# Allegro board LAY-95869_A.brd (continued)
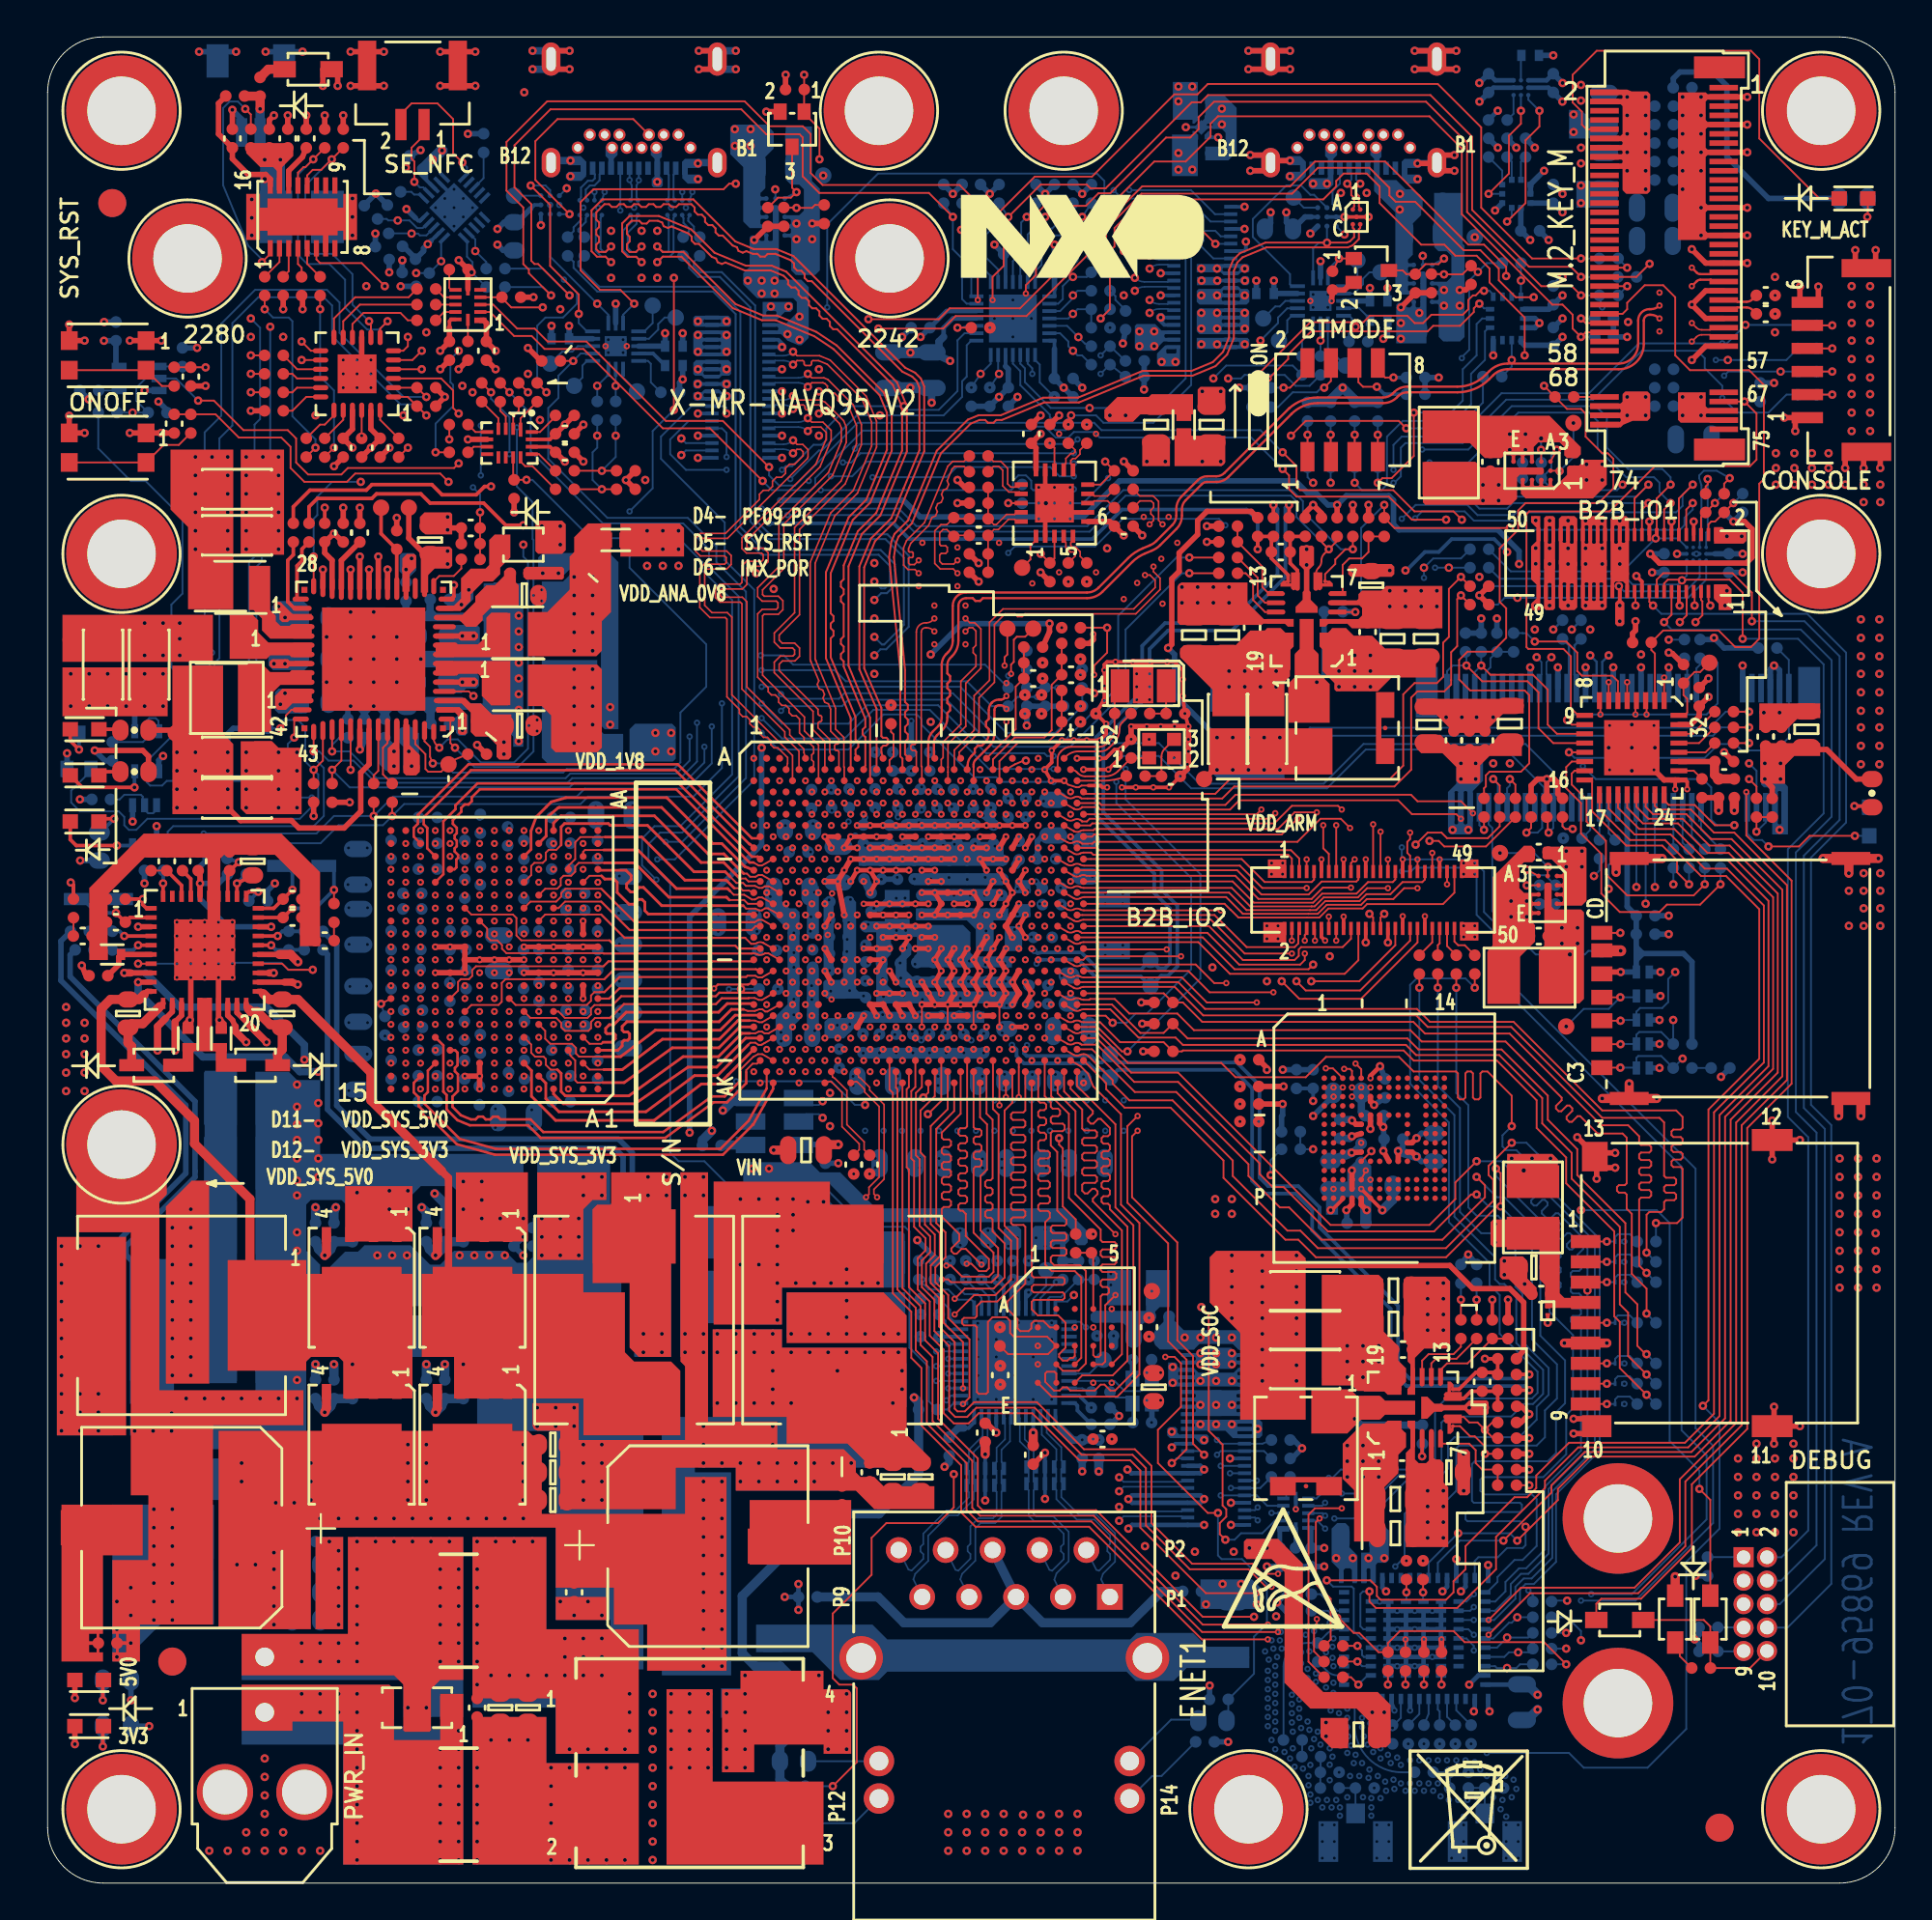
[diagram p0: board, top side]
## Nets (continued)
VDD_BBSM_1V8: C28.1 C201.1 R249.1 R250.1 R251.1 TP4.1(TP) U9.16 U12.H40 U12.J39
VDD_SD2_3V3: C81.1 C82.1 C85.1 C186.1 D9.1 J6.4 TP15.1(TP) U9.53
VDD_SDIO2: C48.1 C331.1 R108.1 R288.1 R290.1 R293.1 TP12.1(TP) U9.3 U12.AD36 U12.AD38
VDD_SOC: C84.1 C88.1 C90.1 C208.1 C209.1 C210.1 C211.1 C212.1 C213.1 C222.1 C227.1 C236.1 C237.1 C238.1 C240.1 C247.1 C248.1 C260.1 C268.1 C281.1 C286.1 C289.1 C290.1 C291.1 C292.1 C293.1 C294.1 C295.1 C302.1 C311.1 C312.1 C313.1 C315.1 C316.1 C317.1 C322.1 C356.1 C357.1 C369.1 C370.1 C371.1 C372.1 C390.1 C400.1 L13.2 R82.2 R147.2 TP23.1(TP) U12.AA21 U12.AA25 U12.AA29 U12.AA33 U12.AA37 U12.AB26 U12.AB30 U12.AB34 U12.AB38 U12.J19 U12.J21 U12.J23 U12.J25 U12.J27 U12.J29 U12.J31 U12.J33 U12.K34 U12.L17 U12.L19 U12.L21 U12.L23 U12.L25 U12.L39 U12.M16 U12.M20 U12.M40 U12.N19 U12.N41 U12.P40 U12.R19 U12.R21 U12.R23 U12.R25 U12.R39 U12.U19 U12.U21 U12.U23 U12.U25 U12.U39 U12.V24 U12.V30 U12.V34 U12.V38 U12.W19 U12.W21 U12.W29 U12.W33 U12.W37 U12.Y20 U12.Y30 U12.Y34 U12.Y38
VDD_SOC_SENSE: R148.2 TP41.1(TP) U12.AD42
VDD_SYS_3V3: C17.1 C18.1 C71.1 C74.1 C378.1 C379.1 C380.1 C381.1 C397.1 C398.1 C399.1 J3.31 J3.32 J3.33 J3.34 J3.35 J3.36 J3.37 J3.38 J14.30 J14.32 J14.34 J14.36 J15.30 J15.32 J15.34 J15.36 J17.31 J17.32 J17.33 J17.34 J17.35 J17.36 J17.37 J17.38 R91.1 R215.1 R236.1 R237.1 R259.1 R260.1 R264.1 R265.1 R277.1 R278.1 R283.1 R308.1 R350.1 TP22.1(TP) U6.B2 U6.C2 U6.D2 U6.E1 U6.E2 U11.B2 U11.C2 U11.D2 U11.E1 U11.E2
VDD_SYS_5V0: C30.1 C32.1 C33.1 C34.1 C35.1 C36.1 C37.1 C83.1 C86.1 C89.1 C96.1 C98.1 C102.1 C105.1 C137.1 C140.1 C148.1 C150.1 C155.1 C158.1 C171.1 C175.1 C178.1 C180.1 C183.1 C184.1 C360.1 C376.1 C382.1 C385.1 C386.1 C396.1 C403.1 J2.1 J3.45 J3.46 J3.47 J3.48 J14.35 J14.37 J15.35 J15.37 J17.45 J17.46 J17.47 J17.48 R9.1 R10.1 R14.1 R15.1 R85.1 R100.1 R134.2 R284.1 R320.2 R347.1 TP21.1(TP) U8.4 U8.6(VIN) U8.16 U9.5 U9.10 U9.18 U9.31 U9.36 U9.39 U9.40 U17.4 U17.6(VIN) U17.16 U21.B1(VSYS) U26.B1(VSYS) U27.B2 U27.C2 U27.D2 U27.E1 U27.E2 U28.B2 U28.C2 U28.D2 U28.E1 U28.E2 U29.12 U32.12
VDDA_LM5143: C64.1 R269.1 R279.1 U13.28 U13.36
VDDQ_CPU_DDR: C20.1 C26.1 C202.1 C203.1 C216.1 C217.1 C228.1 C229.1 C243.1 C244.1 C245.1 C246.1 C257.1 C259.1 C262.1 C264.1 C266.1 C287.1 C303.1 C308.1 C319.1 C320.1 C321.1 C323.1 C324.1 C325.1 C329.1 C339.1 C340.1 C346.1 C347.1 C348.1 C358.1 C359.1 L2.2 R287.2 TP2.1(TP) U9.23 U12.AA13 U12.AB12 U12.AD12 U12.AE13 U12.P12 U12.R13 U12.T12 U12.Y12 U14.A3 U14.A13 U14.AA3 U14.AA13 U14.B2 U14.B14 U14.C3 U14.C13 U14.D4 U14.D12 U14.E5 U14.E11 U14.F1 U14.F3 U14.F4 U14.F12 U14.F13 U14.F15 U14.G1 U14.G2 U14.G14 U14.G15 U14.R1 U14.R2 U14.R14 U14.R15 U14.T1 U14.T3 U14.T4 U14.T12 U14.T13 U14.T15 U14.U5 U14.U11 U14.V4 U14.V12 U14.W3 U14.W13 U14.Y2 U14.Y14
VIN: C95.1 C97.1 C103.1 C104.1 C106.1 C107.1 C108.1 C109.1 C110.1 C111.1 C383.1 C389.1 C394.1 C395.1 C411.1 C412.1 C413.1 C419.1 C420.1 C423.1 C425.1 C426.1 L12.2 Q5.5 Q6.5 R86.1 R274.1 R275.1 TP20.1(TP) U13.25
VSS_ARM_SENSE: R63.2 TP40.1(TP) U12.W41
VSS_BAT: C113.2 C113.4 J9.2 L14.1
VSS_BATF: C114.2 C115.2 C116.2 L14.2 T1.1
VSS_SOC_SENSE: R149.2 TP42.1(TP) U12.AD40
ADC_IN0: C41.1 R86.2 R89.1 U12.A37
ADC_IN1: C40.1 R85.2 R88.1 U12.B38
ADC_IN2: C45.1 R91.2 R94.1 U12.C39
ADC_IN3: C23.1 R74.1 R77.1 U12.B40
ADC_IN6: J4.26 U12.B44
ADC_IN7: J4.28 U12.A45
AON_IO_EXP_INT_B: R45.2 U4.22 U12.H46
BPS_USB1: C160.1 U32.4
BPS_USB2: C153.1 R206.1 U29.4
CAM1_IO1: J14.10 U31.11
CAM1_IO2: J14.12 U31.10
CAM2_IO1: J15.10 U31.16
CAM2_IO2: J15.12 U31.15
CAN1_RX: J3.24 U12.G45
CAN1_TX: J3.22 U12.F46
CCM_CLKO1_FLEXIO1_IO26: J14.16 J15.16 U12.AH20
CCM_CLKO2_FLEXIO1_IO27: J4.32 R211.1 U12.AF20
CCM_CLKO3_CAN3_TX: J4.36 U12.AK20
CCM_CLKO4_CAN3_RX: J4.38 U12.AJ21
DEBUG_TCLK_SWCLK: J3.13 J7.4 U12.AG21
DEBUG_TDI: J3.19 J7.8 U12.AK24
DEBUG_TDO_TRACESWO: J3.17 J7.6 U12.AJ23
DEBUG_TMS_SWDIO: J3.15 J7.2 U12.AH22
DEMB: R126.1 R279.2 U13.33
DITH: C63.1 R124.1 U13.38
DRAM_CA0_A: U12.AB2 U14.G4
DRAM_CA0_B: U12.T10 U14.R12
DRAM_CA1_A: U12.AA11 U14.H5
DRAM_CA1_B: U12.U7 U14.P11
DRAM_CA2_A: U12.AA5 U14.G8
DRAM_CA2_B: U12.U5 U14.R8
DRAM_CA3_A: U12.W1 U14.H11
DRAM_CA3_B: U12.V4 U14.P5
DRAM_CA4_A: U12.Y2 U14.G10
DRAM_CA4_B: U12.T4 U14.R6
DRAM_CA5_A: U12.AA7 U14.H13
DRAM_CA5_B: U12.U11 U14.P3
DRAM_CA6_A: U12.AB10 U14.G12
DRAM_CA6_B: U12.T2 U14.R4
DRAM_CK_A_C: U12.Y10 U14.J9
DRAM_CK_A_T: U12.Y8 U14.H9
DRAM_CK_B_C: U12.V10 U14.N7
DRAM_CK_B_T: U12.V8 U14.P7
DRAM_DATA0_A: U12.AG1 U14.C6
DRAM_DATA0_B: U12.N7 U14.U10
DRAM_DATA1_A: U12.AE1 U14.D3
DRAM_DATA1_B: U12.M10 U14.U14
DRAM_DATA2_A: U12.AF4 U14.B5
DRAM_DATA2_B: U12.M8 U14.W10
DRAM_DATA3_A: U12.AE5 U14.E6
DRAM_DATA3_B: U12.N11 U14.T11
DRAM_DATA4_A: U12.AD2 U14.F5
DRAM_DATA4_B: U12.L7 U14.Y11
DRAM_DATA5_A: U12.AD4 U14.C2
DRAM_DATA5_B: U12.J7 U14.V15
DRAM_DATA6_A: U12.AC1 U14.E2
DRAM_DATA6_B: U12.K10 U14.W14
DRAM_DATA7_A: U12.AC5 U14.D1
DRAM_DATA7_B: U12.L11 U14.V13
DRAM_DATA8_A: U12.AJ7 U14.D15
DRAM_DATA8_B: U12.R5 U14.V1
DRAM_DATA9_A: U12.AH10 U14.C14
DRAM_DATA9_B: U12.P2 U14.T5
DRAM_DATA10_A: U12.AF10 U14.E14
DRAM_DATA10_B: U12.R1 U14.U2
DRAM_DATA11_A: U12.AG11 U14.D13
DRAM_DATA11_B: U12.P4 U14.W2
DRAM_DATA12_A: U12.AG7 U14.B11
DRAM_DATA12_B: U12.M4 U14.Y5
DRAM_DATA13_A: U12.AE11 U14.F11
DRAM_DATA13_B: U12.L1 U14.W6
DRAM_DATA14_A: U12.AE7 U14.E10
DRAM_DATA14_B: U12.N5 U14.U6
DRAM_DATA15_A: U12.AF8 U14.C10
DRAM_DATA15_B: U12.N1 U14.V3
DRAM_DMI0_A: U12.AF2 U14.A4
DRAM_DMI0_B: U12.K8 U14.AA12
DRAM_DMI1_A: U12.AH8 U14.A12
DRAM_DMI1_B: U12.M2 U14.AA4
DRAM_NCS0_A: U12.Y4 U14.H7
DRAM_NCS0_B: U12.W5 U14.P9
DRAM_NCS1_A: U12.AB4 U14.G6
DRAM_NCS1_B: U12.V2 U14.R10
DRAM_RESET_B: R286.1 U12.AA1 U14.H1
DRAM_SDQS0_A_C: U12.AD8 U14.C4
DRAM_SDQS0_A_T: U12.AD10 U14.B3
DRAM_SDQS0_B_C: U12.J1 U14.W12
DRAM_SDQS0_B_T: U12.H2 U14.Y13
DRAM_SDQS1_A_C: U12.AJ3 U14.C12
DRAM_SDQS1_A_T: U12.AK4 U14.B13
DRAM_SDQS1_B_C: U12.P8 U14.W4
DRAM_SDQS1_B_T: U12.P10 U14.Y3
DRAM_WCK0_A_C: U12.AC7 U14.D5
DRAM_WCK0_A_T: U12.AB8 U14.E4
DRAM_WCK0_B_C: U12.K4 U14.V11
DRAM_WCK0_B_T: U12.K2 U14.U12
DRAM_WCK1_A_C: U12.AH4 U14.D11
DRAM_WCK1_A_T: U12.AH2 U14.E12
DRAM_WCK1_B_C: U12.R7 U14.V5
DRAM_WCK1_B_T: U12.T8 U14.U4
DRAM_ZN: R285.1 U12.W11
ENET1_RD0: R314.1 R315.2 U12.AJ35 U35.26
ENET1_RD1: R316.1 U12.AK36 U35.25
ENET1_RD2: R322.1 U12.AJ37 U35.24
ENET1_RD3: R323.1 U12.AH38 U35.23
ENET1_RX_CTL: R313.1 U12.AH34 U35.27
ENET1_RXC: R312.1 U12.AJ33 U35.28
ENET1_TD0: U12.AG33 U35.19
ENET1_TD1: U12.AG35 U35.18
ENET1_TD2: U12.AF36 U35.17
ENET1_TD3: U12.AG37 U35.16
ENET1_TX_CTL: U12.AF32 U35.20
ENET1_TXC: U12.AG31 U35.21
ENET_MDC: J17.23 R138.2 U12.AK32 U35.14
ENET_MDIO: J17.21 R136.2 U12.AJ31 U35.15
ETH_INT: R31.1 U5.4
ETH_REF_PAD_CLK_N: U12.AF14 Y3.5
ETH_REF_PAD_CLK_P: U12.AG15 Y3.4
ETH_RST: J17.20 R39.2
ETH_RX0_N: C79.2 J17.14
ETH_RX0_P: C80.2 J17.12
ETH_TX0_N: J17.6 U12.AK16
ETH_TX0_P: J17.4 U12.AJ17
ETH_WAKE: R27.1 U4.16
ETH_WAKE_INT: J17.22 R27.2 R31.2
GPIO00_UART5_TX: J4.3 U12.J49
GPIO01_UART5_RX: J4.5 U12.J51
GPIO02_UART5_CTS_B: J4.7 U12.K48
GPIO03_UART5_RTS_B: J4.9 U12.K52
GPIO04_CAN4_TX: J4.13 U12.K46
GPIO05_CAN4_RX: J4.15 U12.L45
GPIO06_TPM5_CH0: J4.19 U12.L49
GPIO07_ARM_IO: J4.21 U12.L51
GPIO08_UART7_TX: J4.25 U12.M44
GPIO09_UART7_RX: J4.27 U12.M46
GPIO10_UART7_CTS_B: J4.29 U12.M48
GPIO11_UART7_RTS_B: J4.31 U12.M52
GPIO12_SPI8_PCS0: J4.35 U12.N45
GPIO13_SPI8_SIN: J4.37 U12.N49
GPIO14_SPI8_SOUT: J4.39 U12.N51
GPIO15_SPI8_SCK: J4.41 U12.P44
GPIO17_IMU_INT1: J4.45 U12.P48
GPIO18_IMU_INT2: J4.47 U12.P52
GPIO20_TPM3_CH1: J4.4 U12.R49
GPIO21_TPM4_CH1: J4.6 U12.R51
GPIO22_CAN5_TX: J4.14 U12.T44
GPIO23_CAN5_RX: J4.16 U12.T46
GPIO24_TPM3_CH3: J4.8 U12.T48
GPIO25_CAN2_TX: J4.20 U12.T52
GPIO26_SPI8_PCS1: J4.10 U12.U45
GPIO27_CAN2_RX: J4.22 U12.U49
I2C2_SCL: R16.1 R43.1 R76.1 R110.1 R122.2 R144.1 U12.E43
I2C2_SDA: R19.1 R44.1 R83.1 R109.1 R111.2 R143.1 U12.E45
I2C3_SCL: R54.1 R98.1 R105.2 R208.2 R228.2 U12.V44
I2C3_SDA: R49.1 R95.1 R121.2 R207.2 R227.2 U12.U51
I2C4_SCL: J3.18 R135.2 R205.1 U12.V48
I2C4_SDA: J3.16 R133.2 R202.1 U12.V46
I3C1_SCL_1V8: J3.6 R372.1 R378.2 U18.A3 U20.2
I3C1_SCL_3V3: R112.2 R375.2 U12.D48
I3C1_SDA_1V8: J3.4 R373.1 R379.2 U18.A2 U20.4
I3C1_SDA_3V3: R123.2 R376.2 U12.D52
I3C2_SCL_1V8: R139.2 R195.1 U12.AK40
I3C2_SDA_1V8: R137.2 R191.1 U12.AJ39
I3C2A_SCL_1V8: J3.12 J17.5 R177.2 U31.27
I3C2A_SDA_1V8: J3.10 J17.3 R176.2 U31.28
I3C2B_SCL_1V8: J14.6 R181.2 U31.22
I3C2B_SDA_1V8: J14.4 R180.2 U31.23
I3C2C_SCL_1V8: J15.6 R179.2 U31.25
I3C2C_SDA_1V8: J15.4 R178.2 U31.26
IMU1_INT_1V8: R374.1 U12.AH42
IMU1_INT_3V3: R189.1 R377.2
IO_INT: R47.1 U5.7
IO_WAKE: R30.1 U4.17
IO_WAKE_INT: J3.23 R30.2 R47.2
IW612_BT15_4_WAKE_IN: U10.23 U36.75
IW612_BT15_4_WAKE_OUT_1V8: U3.3 U36.76
IW612_BT15_4_WAKE_OUT_3V3: R22.2 U4.11
IW612_IND_RST_15_4: U10.20 U36.38
IW612_IND_RST_BT: U10.19 U36.64
IW612_IND_RST_WL: U10.18 U36.63
IW612_PD_B: R357.2 U10.17 U36.10
IW612_RST_IND: U10.21 U36.37
IW612_SD_INT: R339.1 U12.AF28
IW612_SPI_INT: R353.1 U12.AJ25
IW612_WL_WAKE_IN: U10.22 U36.74
IW612_WL_WAKE_OUT_1V8: U3.2 U36.73(WL_WAKE_OUT)
IW612_WL_WAKE_OUT_3V3: R23.2 U4.10
LED0_PHYAD0: R317.1 R318.2 U35.35
LED1_CFGLDO0: R348.1 R349.1 U35.36
LED2_CFGLDO1: R367.2 R370.1 U35.37
LM5143_3V3_PG: R29.2 U4.2 U13.24
LM5143_5V0_PG: R35.2 U4.1 U13.7
M2_KEYB_CLKREQ_B: J16.52 R79.2 R117.2 U7.3(VOE3_B)
M2_KEYB_COEX_RXD: R114.2 R158.1
M2_KEYB_COEX_TXD: R115.2 R159.1
M2_KEYB_CONFIG0: J16.21 R244.2 U10.10
M2_KEYB_CONFIG1: J16.69 R242.2 U10.11
M2_KEYB_CONFIG2: J16.75 R243.2 U10.12
M2_KEYB_CONFIG3: J16.1 R239.2 U10.13
M2_KEYB_FCPO_B: R119.1 U10.5
M2_KEYB_GPIO5: R270.2 U10.14
M2_KEYB_GPIO6: R271.2 U10.15
M2_KEYB_GPIO7: R272.2 U10.16
M2_KEYB_PERST_B: J16.50 R118.2 U10.4
M2_KEYB_PEWAKE_B: J16.54 R116.2 U4.14
M2_KEYB_PWREN_B: R277.2 U10.3 U11.A3(\\E\N)
M2_KEYB_REFCLK_N: J16.53 R80.2
M2_KEYB_REFCLK_P: J16.55 R81.2
M2_KEYB_REFCLK_R_N: R80.1 U7.4
M2_KEYB_REFCLK_R_P: R81.1 U7.5
M2_KEYB_RESET_B: R240.1 U10.6
M2_KEYB_WDISABLE1_B: J16.8(\W\_\D\I\S\A\B\L\E\1\) U10.7
M2_KEYB_WDISABLE2_B: R273.2 U10.8
M2_KEYB_WOWWAN_3V3_B: R20.2 U4.12
M2_KEYB_WOWWAN_B: R21.2 R245.2 U3.4
M2_KEYM_CLKREQ_B: J1.52 R40.2 R198.2 U7.13
M2_KEYM_PEDET: J1.69 R215.2 U10.9
M2_KEYM_PERST_B: J1.50 R87.2 U10.2
M2_KEYM_PEWAKE_B: J1.54 R201.2 U4.13
M2_KEYM_PWREN_B: R237.2 U6.A3(\\E\N) U10.1
M2_KEYM_REFCLK_N: J1.53 R42.2
M2_KEYM_REFCLK_P: J1.55 R41.2
M2_KEYM_REFCLK_R_N: R42.1 U7.11
M2_KEYM_REFCLK_R_P: R41.1 U7.12
M2_SMBUS_ALERT_B: R196.2 R219.2 R267.2 U31.8
M2_SMBUS_CLK: R188.2 R221.2 R266.2 U31.14
M2_SMBUS_DATA: R192.2 R220.2 R268.2 U31.13
MIPI_CSI_CLK_N: J14.17 U12.F16
MIPI_CSI_CLK_P: J14.15 U12.E15
MIPI_CSI_D0_N: J14.29 U12.F20
MIPI_CSI_D0_P: J14.27 U12.E19
MIPI_CSI_D1_N: J14.23 U12.D18
MIPI_CSI_D1_P: J14.21 U12.E17
MIPI_CSI_D2_N: J14.11 U12.D14
MIPI_CSI_D2_P: J14.9 U12.E13
MIPI_CSI_D3_N: J14.5 U12.F12
MIPI_CSI_D3_P: J14.3 U12.E11
MIPI_DSICSI_CLK_N: J15.17 U12.C11
MIPI_DSICSI_CLK_P: J15.15 U12.B10
MIPI_DSICSI_D0_N: J15.29 U12.C15
MIPI_DSICSI_D0_P: J15.27 U12.B14
MIPI_DSICSI_D1_N: J15.23 U12.A13
MIPI_DSICSI_D1_P: J15.21 U12.B12
MIPI_DSICSI_D2_N: J15.11 U12.A9
MIPI_DSICSI_D2_P: J15.9 U12.B8
MIPI_DSICSI_D3_N: J15.5 U12.C7
MIPI_DSICSI_D3_P: J15.3 U12.B6
MX_POR_B: C181.1 R248.2 R249.2 U12.D42
ONOFF: C9.1 R38.2 R251.2 U12.F40
P3H_CP_SEL: R197.1 U10.24
PCIE1_CLKIN_N: R48.2 U12.C31
PCIE1_CLKIN_P: R51.2 U12.B30
PCIE1_CLKIN_R_N: R48.1 U7.16
PCIE1_CLKIN_R_P: R51.1 U7.17
PCIE1_CLKREQ_B: R238.2 U7.18 U12.V52
PCIE1_RX0_N: J1.41 U12.A29
PCIE1_RX0_P: J1.43 U12.B28
PCIE1_TX0_N: C4.1 U12.D30
PCIE1_TX0_P: C5.1 U12.E29
PCIE2_CLKIN_N: R57.2 U12.A33
PCIE2_CLKIN_P: R55.2 U12.B32
PCIE2_CLKIN_R_N: R57.1 U7.8
PCIE2_CLKIN_R_P: R55.1 U7.9
PCIE2_CLKREQ_B: R50.2 U7.10 U12.W51
PCIE2_RX0_N: J16.41 U12.C35
PCIE2_RX0_P: J16.43 U12.B34
PCIE2_TX0_N: C176.1 U12.F32
PCIE2_TX0_P: C177.1 U12.E31
PCIE_CLKOUT_C_N: C21.2 R52.2 R56.1 U7.19
PCIE_CLKOUT_C_P: C27.2 R75.1 R78.2 U7.20
PCIE_CLKOUT_N: C21.1 R60.1 U12.C27
PCIE_CLKOUT_P: C27.1 R60.2 U12.B26
PF09_FCCU0: U9.4 U12.K44
PF09_FS0B: R100.2 TP16.1(TP) U9.54
PF09_INT_B: R258.2 U4.6 U9.41
PF09_PG: Q7.1 R107.2 U4.5 U9.44
PF09_XRST_B: Q8.2 R214.2 R230.1 U9.47 U33.4(Y)
PF53_ARM_EN: R64.1 R65.2 U8.9 U9.56
PF53_ARM_FB-: C29.2 R59.1 R63.1 U8.11
PF53_ARM_PG: R66.2 U4.3 U8.8
PF53_ARM_VMON: C29.1 R61.1 R62.1 R69.1 U8.12
PF53_SOC_EN: R151.1 R152.2 U9.55 U17.9
PF53_SOC_FB-: C92.2 R149.1 R150.1 U17.11
PF53_SOC_PG: R153.2 U4.4 U17.8
PF53_SOC_VMON: C92.1 R70.1 R147.1 R148.1 U17.12
PMIC_ON: R246.1 R250.2 U9.28 U12.D44
PMIC_STBY: R68.1 R84.1 R156.1 U9.1 U12.C43
PMIC_XFB: R71.2 R73.1 R145.1 U9.14
POR_B_1V8: D14.A Q9.2 R141.1 R248.1 R298.2 U9.43
RES: C65.1 R269.2 U13.32
RJ45_LEDG_A: J8.P11 R359.2
RJ45_LEDG_C: J8.P12 R370.2
RJ45_LEDY_A: J8.P13 R349.2
RJ45_LEDY_C: J8.P14 R351.2
RTC_CLKOUT_32K: R113.2 R212.2 U1.6
RTC_INTA_B: R6.2 U1.13 U4.7
RTC_INTB_B: R7.2 U1.12 U4.8
RTL8211_INT_B: R33.1 U5.2
RTL8211_PHYRST_B: R32.2 R336.2 U35.13
RTL8211_PME_B: R26.1 U4.15
RTL8211_PME_INT_B: R26.2 R33.2 R319.2 U35.34
RTL8211_TD1_N: D30.2 D30.9 J8.P2 U35.3
RTL8211_TD1_P: D30.1 D30.10(NC4) J8.P1 U35.2
RTL8211_TD2_N: D30.5 D30.6 J8.P4 U35.6
RTL8211_TD2_P: D30.4 D30.7 J8.P3 U35.5
RTL8211_TD3_N: D31.2 D31.9 J8.P8 U35.8
RTL8211_TD3_P: D31.1 D31.10(NC4) J8.P7 U35.7
RTL8211_TD4_N: D31.5 D31.6 J8.P10(TD4-) U35.11
RTL8211_TD4_P: D31.4 D31.7 J8.P9 U35.10
SAI2_RX_DATA0: R129.2 R169.1 U12.AG29
SAI2_TX_BCLK: R131.2 R166.1 U12.AG23
SAI2_TX_DATA0: R132.2 R164.1 U12.AH26
SAI2_TX_SYNC: R130.2 R162.1 U12.AF24
SD1_CLK: R299.1 U12.AG39
SD1_CMD: R297.2 U12.AF40 U15.M5
SD1_DATA0: R292.2 U12.AG45 U15.A3
SD1_DATA1: U12.AE45 U15.A4
SD1_DATA2: U12.AD46 U15.A5
SD1_DATA3: U12.AG43 U15.B2
SD1_DATA4: U12.AF44 U15.B3
SD1_DATA5: U12.AG47 U15.B4
SD1_DATA6: U12.AD44 U15.B5
SD1_DATA7: U12.AC45 U15.B6
SD1_STROBE: R295.1 U12.AG41 U15.H5
SD2_CD_B: R293.2 R334.1 U12.AD48
SD2_CLK: R321.1 U12.AB48
SD2_CMD: R288.2 R311.1 U12.AB52
SD2_DATA0: R290.2 R326.1 U12.AC51
SD2_DATA1: R327.1 U12.AC49
SD2_DATA2: R304.1 U12.AA51
SD2_DATA3: R310.1 U12.AA49
SD2_RESET_B: R108.2 U9.46 U12.AD52
SD2_VSEL: R257.1 U9.45 U12.AE51
SD3_CLK: U12.AG51 U36.44
SD3_CMD: U12.AF48 U36.42
SD3_DATA0: U12.AG49 U36.48
SD3_DATA1: U12.AH52 U36.45
SD3_DATA2: U12.AE49 U36.47
SD3_DATA3: U12.AF52 U36.46
SE051_LA: J10.1 U25.17
SE051_LB: J10.2 U25.1
SE_ENABLE: R193.2 U25.11 U31.9
SE_SMBUS_CLK: R182.2 R194.1 U31.21
SE_SMBUS_DATA: R183.2 R190.1 U31.20
SHIELD: C428.1 J8.SH1 J8.SH2 R344.1
SIM_DETECT: J16.66 R282.2
SOC_ETH_RX0_N: C79.1 U12.AK12
SOC_ETH_RX0_P: C80.1 U12.AJ13
SPI1_IMU1_PCS0/BT_MODE2: R234.2 U12.G49 U30.12
SPI1_IMU1_SCK/BT_MODE3: R235.2 U12.H48 U30.13
SPI1_IMU1_SIN: U12.G51 U30.1
SPI1_IMU1_SOUT: U12.H52 U30.14
SPI4_PCS0: U12.W49 U37.2
SPI4_PCS0_1V8: R352.1 U37.10
SPI4_PCS1: J17.15 U12.W45
SPI4_PCS2: J17.17 U12.P46
SPI4_SCK: J17.13 U12.Y52 U37.3
SPI4_SCK_1V8: R356.1 U37.9
SPI4_SIN: J17.11 R369.1 U12.R45
SPI4_SIN_1V8: R355.1 U37.7
SPI4_SOUT: J17.9 U12.Y48 U37.4
SPI4_SOUT_1V8: R354.1 U37.8(YB3)
SYS_RST_B: C8.1 D10.A R28.2 R34.1 R46.1 R99.1 R204.2 U33.1
UART1_RXD: J3.5 R209.1 U12.E49
UART1_TXD/BT_MODE0: J3.3 R218.1 R232.2 U12.F52
UART2_RXD: J3.9 R203.1 U12.E51
UART2_TXD/BT_MODE1: J3.7 R199.1 R233.2 U12.F48
UART4_CTS_B: R165.1 R346.1 U12.AJ29
UART4_RTS_B: R343.1 U12.AG27
UART4_RXD: R341.1 U12.AJ27
UART4_TXD: R345.1 U12.AG25
UIM_CLK: C341.1 D22.2(C2) J5.C3 J16.32
UIM_DATA: D21.2(C2) J5.C7 J16.34 R289.2
UIM_PWR: C261.1 C267.1 D18.2(C2) J5.C1 J16.36 R289.1
UIM_RESET: D20.2(C2) J5.C2 J16.30
USB1_CONN_DN: J13.A7 J13.B7 U23.A1
USB1_CONN_DP: J13.A6 J13.B6 U23.A2
USB1_CONN_RX0_N: J13.B10 U24.A1
USB1_CONN_RX0_P: J13.B11 U24.A2
USB1_CONN_RX1_N: J13.A10 U22.A4
USB1_CONN_RX1_P: J13.A11 U22.A3
USB1_CONN_TX0_N: J13.A3 U24.A3
USB1_CONN_TX0_P: J13.A2 U24.A4
USB1_CONN_TX1_N: J13.B3 U22.A2
USB1_CONN_TX1_P: J13.B2 U22.A1
USB1_DN: U12.B18 U23.C1
USB1_DP: U12.C19 U23.C2
USB1_RX0_N: U12.B20 U24.C1
USB1_RX0_P: U12.A21 U24.C2
USB1_RX1_N: U12.A17 U22.C4
USB1_RX1_P: U12.B16 U22.C3
USB1_TX0_C_N: C145.1 U24.C3
USB1_TX0_C_P: C146.1 U24.C4
USB1_TX0_N: C145.2 U12.E25
USB1_TX0_P: C146.2 U12.D26
USB1_TX1_C_N: C144.1 U22.C2
USB1_TX1_C_P: C143.1 U22.C1
USB1_TX1_N: C144.2 U12.D22
USB1_TX1_P: C143.2 U12.E21
USB2_CONN_DN: J12.A7 J12.B7 U2.A2
USB2_CONN_DP: J12.A6 J12.B6 U2.A1
USB2_DN: U2.C2 U12.A25
USB2_DP: U2.C1 U12.B24
USB_PTN5110_ALERT_B: R371.2 U12.AK28 U29.10 U32.10
VANA_PF09: C24.1 R65.1 R71.1 R152.1 U9.26
VDIG_PF09: C25.1 U9.25
VLDO_SENS_1V8: C118.1 C119.1 C123.1 C133.1 C138.1 C157.1 R174.1 U18.B3(VDDIO) U18.C1 U19.1 U20.1 U20.10 U30.8
WDOG: R229.2 R230.2 U12.J45 U33.2
WU_IO_EXP_INT_B: R53.2 U5.11 U12.AH30
XSPI_CLK: U12.AJ43 U16.B2
XSPI_DATA0: U12.AJ45 U16.D3
XSPI_DATA1: U12.AH46 U16.D2
XSPI_DATA2: U12.AJ47 U16.C4
XSPI_DATA3: U12.AK48 U16.D4
XSPI_DATA4: U12.AJ49 U16.D5
XSPI_DATA5: U12.AK50 U16.E3
XSPI_DATA6: U12.AJ51 U16.E2
XSPI_DATA7: U12.AH50 U16.E1
XSPI_DQS: U12.AK44 U16.C3
XSPI_SS0_B: R142.2 U12.AJ41 U16.C2
XTALI_24M: C57.1 U12.B50 Y2.1
XTALI_32K: C43.1 U12.B48 Y1.1
XTALO_24M: R101.1 U12.C51
XTALO_32K: R96.1 U12.A49
N20185383: R92.1 U12.E37
N20185394: R93.1 U12.E39
N20185422: C44.1 R96.2 Y1.2
N20185436: C60.1 R101.2 Y2.3
N20187257: C349.1 C354.1 U15.C2
N20187351: R299.2 U15.M6
N20187408: R296.2 R298.1 U15.K5
N20191447: R72.2 TP3.1(TP) U9.19
N20191517: R261.2 U9.42
N20191675: R110.2 U9.51
N20191732: R109.2 U9.50
N20192669: C410.1 U17.5
N20192671: C410.2 L13.1 U17.21
N20193058: R143.2 U17.15
N20193082: R144.2 U17.14
N20193154: R154.1 R156.2 U17.7
N20193177: R145.2 R146.1 U17.13
N20193405: C174.1 U8.5
N20193407: C174.2 L7.1 U8.21
N20193730: R83.2 U8.15
N20193755: R76.2 U8.14
N20193832: R67.1 R68.2 U8.7
N20193847: R58.1 R73.2 U8.13
N20196036: C405.1 U35.45 Y4.1
N20196038: C414.1 R335.1 Y4.3
N20196046: C388.1 C393.1 U35.29
N20196148: R335.2 U35.46(XTAL_OUT/EXT_CLK)
N20196294: TP44.1(TP) U35.44
N20196509: L17.1 U35.32
N20196513: C401.1 C404.1 L17.2 R324.1 R325.1
N20199076: R167.2 U36.56
N20199078: R168.2 U36.55
N20199086: R340.2 U36.25
N20199221: R342.2 U36.24
N20199281: R164.2 U36.60
N20199318: R169.2 U36.59
N20199349: R166.2 U36.57
N20199360: R162.2 U36.61
N20199453: C427.2 U36.18
N20199548: R360.1 U36.15
N20199550: R360.2 R361.1 R363.1
N20199556: J18.1 R363.2 R364.1
N20199632: C427.1 C430.1 U36.23
N20199634: C430.2 R358.1
N20199638: R358.2 R362.1 R366.1
N20199640: J19.1 R365.1 R366.2
N20200620: R213.2 SW2.2
N20200622: R222.2 SW2.4
N20200624: R217.2 SW2.6
N20200626: R210.2 SW2.8
N20200644: R226.1 R232.1 SW2.1
N20200646: R225.1 R233.1 SW2.3
N20200648: R224.1 R234.1 SW2.5
N20200650: R223.1 R235.1 SW2.7
N20208947: D2.A R184.2
N20209186: C5.2 J1.49
N20209195: C4.2 J1.47
N20211744: R276.1 R278.2 U11.B3
N20212266: C177.2 J16.49
N20212275: C176.2 J16.47
N20212471: D19.2(C2) J5.C6(VPP) TP19.1(TP)
N20212515: J16.20 R270.1
N20212533: J5.CD R282.1
N20212535: J16.22 R271.1
N20212563: J16.24 R272.1
N20212605: D15.C(CATHODE) J16.10
N20212618: J16.26 R273.1
N20218476: TP37.1(TP) U32.9
N20218653: R228.1 U32.8
N20218681: R227.1 U32.7
N20219761: D25.1 J6.3 R311.2
N20219774: D26.1 J6.5 R321.2
N20219785: D27.1 J6.7 R326.2
N20219794: D28.1 J6.8 R327.2
N20219805: D23.1 J6.1 R304.2
N20219813: D24.1 J6.2 R310.2
N20220454: R140.2 R141.2 U16.A4
N20227508: R171.1 U18.A1
N20227512: C117.1 U18.C2
N20228060: R174.2 U20.6
N20228087: R175.1 U20.5
N20228124: R173.1 U20.7
N20230991: C149.1 L16.2 U25.12
N20231101: R186.2 U25.14
N20231103: R187.2 U25.13
N20554825: R70.2 U9.29
N20554848: R69.2 U9.30
N20554879: C31.1 R82.1 TP7.1(TP) U9.12
N20554950: C173.1 D3.C U9.13
N20556128: L6.1 U9.37 U9.38
N20556214: L3.1 U9.8 U9.9
N20556266: L5.1 U9.6 U9.7
N20556348: L2.1 U9.32 U9.33
N20556417: L4.1 U9.34(SW5LXB) U9.35
N20885506: J4.42 R129.1
N20885512: J4.44 R130.1
N20885518: J4.46 R131.1
N20885524: J4.48 R132.1
N20938200: C104.2 R163.1
N20938254: C106.2 R155.1
N20938524: C76.1 D8.C U13.20
N20938526: C75.1 D7.C U13.11
N20938536: Q6.4 R328.1 R329.1 R330.1
N20938605: Q5.4 R331.1 R332.2 R333.2
N20938615: R274.2 U13.31
N20938617: R275.2 U13.40
N20938619: C76.2 L11.2 Q4.5 Q6.1 Q6.2 Q6.3(SOURCE3) R330.2 U13.21
N20938665: C75.2 L10.1 Q3.5 Q5.1 Q5.2 Q5.3(SOURCE3) R331.2 U13.10
N20938713: R329.2 U13.22
N20938715: R332.1 U13.9
N20938759: R328.2 U13.23
N20938761: R333.1 U13.8
N20938813: L11.1 R280.1 R308.2
N20938851: L10.2 R281.1 R320.1
N20939009: Q4.4 R301.1 R302.1 R303.1
N20939031: R302.2 U13.18
N20939033: R306.1 U13.13
N20939045: Q3.4 R305.1 R306.2 R307.2
N20939085: R303.2 U13.19
N20939087: R307.1 U13.12
N20939149: C279.1 R283.2 U13.26
N20939151: C279.2 R280.2 U13.27
N20939169: C280.1 R281.2 U13.4
N20939171: C280.2 R284.2 U13.5(VOUT2)
N20939231: R125.1 U13.37
N20939402: C73.1 R134.1 U13.6
N20939416: C69.1 D16.A R128.1 U13.29
N20939428: C68.1 D17.A R127.1 U13.2
N20939532: C72.1 R128.2
N20939534: C67.1 D16.C U13.30
N20939536: C66.1 D17.C U13.1
N21337714: R287.1 U14.H15
N21594290: D29.1 J6.9 R334.2
N21614268: R254.2 R255.1 U12.F24
N21614296: R252.1 U12.F28
N21614343: R97.1 U12.B22
N21614367: R253.2 U12.E27
N21617103: R211.2 U30.9
N21636786: R172.2 U25.3
N21636793: R185.2 U25.16
N21637265: TP24.1(TP) U16.A5
N21660107: R36.1 U4.18
N21704576: R77.2 U9.15
N21816191: D4.C(CATHODE) Q7.3
N21816541: D6.A R265.2
N21819484: D5.A R260.2
N21996577: D4.A R247.2
N22003054: Q9.5 Q9.6 R264.2
N22006776: Q8.5 Q8.6 R259.2
N22034663: D6.C(CATHODE) Q9.3
N22035914: D5.C(CATHODE) Q8.3
N22037860: D11.A R347.2
N22037862: D12.A R350.2
N22066075: C70.1 R127.2
N22140968: R190.2 U25.9
N22140981: R194.2 U25.10
N22187003: D15.A R106.2
N22188336: R231.1 R236.2 U6.B3
N22191878: D2.C(CATHODE) J1.10
N22194881: J1.44 R196.1
N22194901: J1.42 R192.1
N22194921: J1.40 R188.1
N22195496: J11.2 R1.2 R3.1
N22196044: C3.1 U1.14
N22196174: R18.1 U1.4
N22196181: R17.1 U1.3
N22196802: C2.1 C136.1 R4.1 R5.2 U1.15
N22196850: C1.1 R3.2 U1.16
N22197655: R19.2 U1.5
N22197658: R16.2 U1.2
N22209029: D1.C R1.1
N22234874: R337.1 U35.48
N22245092: TP43.1(TP) U35.33
N22260988: TP8.1(TP) U12.F36
N22260989: TP9.1(TP) U12.D38
N22267384: J7.1 R157.2
N22267422: D10.C D14.C J7.10(B5) R170.2
N22268137: J7.7 R160.2
N22268139: J7.9 R161.2
N22269123: D13.C R170.1
N22270569: Q1.1 R2.1 U32.16
N22270887: Q1.3 R10.2 U27.A3(\\E\N)
N22338334: C10.1 C13.1 C22.1 L1.1 U7.6 U7.15
N22411418: R28.1 SW1.3 SW1.4(B2)
N22411494: R38.1 SW3.3 SW3.4(B2)
N22439034: R256.2 U12.E23
N22445514: R263.1 U12.G11
N22447153: R300.2 Y3.1
N22447375: R291.1 U12.AG17
N22449761: R262.1 U12.E33
N22490528: J13.A5 U21.C3
N22490544: J13.B5 U21.A3
N22499200: TP38.1(TP) U32.6
N22503479: TP32.1(TP) U32.2
N22522931: Q2.1 R13.1 U29.16
N22537850: J12.A5 U26.C3
N22537852: U26.C2 U29.13
N22540110: J12.B5 U26.A3
N22540682: TP30.1(TP) U29.2
N22541064: TP35.1(TP) U29.6
N22541069: TP34.1(TP) U29.9
N22541602: R208.1 U29.8
N22541605: R207.1 U29.7
N22543644: U26.A2 U29.14
N22546464: R12.1 R14.2 U28.B3
N22549024: Q2.3 R15.2 U28.A3(\\E\N)
N22551776: R8.1 R9.2 U27.B3
N22560560: TP27.1(TP) U26.C1
N22561438: TP26.1(TP) U21.C1
N22564673: TP28.1(TP) U28.A2
N22566941: TP36.1(TP) U32.11
N22566978: TP31.1(TP) U32.1
N22570709: TP29.1(TP) U29.1
N22570712: TP33.1(TP) U29.11
N22571099: R206.2 U29.5
N22571117: R216.1 U32.5
N22573332: TP25.1(TP) U27.A2
N22575746: U21.C2 U32.13
N22575749: U21.A2 U32.14
N22579246: R4.2 U1.1
N22580951: TP5.1(TP) U7.1
N22584656: J16.68 R113.1
N22585268: J1.68(SUSCLK) R212.1
N22592200: R189.2 U30.4
N22593278: R165.2 U36.58
N22597597: R158.2 U36.69
N22597600: R159.2 U36.70
N22618143: TP18.1(TP) U11.A2
N22618337: TP1.1(TP) U6.A2
N22625960: J16.64 R114.1
N22625963: J16.62 R115.1
N22654895: C422.1 C424.1 J8.P5 J8.P6
N22707350: C341.2 R294.1
N22716193: J16.40 R267.1
N22716195: J16.42 R268.1
N22716197: J16.44 R266.1
N22719691: J16.23 R245.1
N22721133: J16.67 R240.2 R241.2
N22721292: J16.6 R119.2 R120.2
N23135226: R343.2 U36.50
N23135255: R346.2 U36.52
N23135278: R341.2 U36.49
N23135301: R345.2 U36.51
N23138128: R369.2 U37.5
N23138864: R368.1 U37.12
N23143024: R354.2 U36.6
N23143027: R352.2 U36.4
N23143030: R355.2 U36.7
N23143033: R356.2 U36.8
N23154785: R353.2 U36.5
N23154814: R339.2 U36.72
N23159318: R43.2 U4.19
N23159321: R44.2 U4.20
N23161766: R25.1 U3.12
N23161945: R23.1 U3.10
N23161959: R22.1 U3.9
N23161973: R20.1 U3.8(YB3)
N23164149: C59.1 R103.2 R104.2 U10.27
N23164319: R102.2 U10.26
N23164717: R98.2 U10.29
N23164745: R95.2 U10.30
N23165400: R32.1 U5.3
N23179666: R46.2 U4.24
N23179952: R99.2 U10.28
N23180030: R90.2 TP11.1(TP) U10.32
N23187439: R191.2 U31.2
N23187446: R195.2 U31.3
N23187497: R202.2 U31.5
N23187500: R205.2 U31.6
N23189944: R11.1 U3.7
N23190304: R24.2 U31.17(ZQ)
N23191252: R34.2 U5.1(\R\E\S\E\T\)
N23191309: R54.2 U5.12
N23191328: R49.2 U5.13
N23218044: R197.2 R200.1 U31.4
N23221125: R37.2 U5.16
N23221706: R39.1 U5.5
N24715398: J2.2 R218.2
N24715401: J2.3 R209.2
N24715404: J2.4 R203.2
N24715407: J2.5 R199.2
N24925114: R375.1 U34.A1
N24925117: R376.1 U34.B1
N24925120: R377.1 U34.D1
N24925332: R374.2 U34.D3
N24925335: R373.2 U34.B3
N24925338: R372.2 U34.A3

Pads without a net: J1 1 5 6 7 8 11 13 17 19 20 21 22 23 24 25 26 28 29 30 31 32 34 35 36 37 38 46 48 56 58 67 75; J12 A2 A3 A8 A10 A11 B2 B3 B8 B10 B11; J13 A8 B8; J16 7 9 25 28 29 31 35 37 38 46 48 56 58 59 60 61 63 65; L7 3; L13 3; U1 8 9 10 11; U3 5; U5 8 9 10; U9 11 17; U12 A3 A5 A41 AA45 AC11 B2 B4 B42 C1 C3 C23 D2 D4 D6 D8 E1 E3 E7 E9 F2 F4 F6 F8 G7 G9 R11 U1 W7 Y44 Y46; U13 39; U14 A1 A2 A14 A15 AA1 AA2 AA14 AA15 B1 B15 J4 J6 P1 P15 Y1 Y15; U15 A1 A2 A7 A8 A9 A10 A11 A12 A13 A14 B1 B7 B8 B9 B10 B11 B12 B13 B14 C1 C3 C5 C7 C8 C9 C10 C11 C12 C13 C14 D1 D2 D3 D4 D12 D13 D14 E1 E2 E3 E5 E8 E9 E10 E12 E13 E14 F1 F2 F3 F10 F12 F13 F14 G1 G2 G3 G10 G12 G13 G14 H1 H2 H3 H12 H13 H14 J1 J2 J3 J12 J13 J14 K1 K2 K3 K6 K7 K10 K12 K13 K14 L1 L2 L3 L12 L13 L14 M1 M2 M3 M7 M8 M9 M10 M11 M12 M13 M14 N1 N3 N6 N7 N8 N9 N10 N11 N12 N13 N14 P1 P2 P7 P8 P9 P10 P11 P12 P13 P14; U16 A2 A3 B1 B5 C5; U25 2 4 5 6 7 8 20; U30 2 3 10; U34 C1 C3; U35 38 39 40 41 42 43; U36 3 26 27 33 34 35 36 65 66 77 78 79 80; Y3 2

## Via types
v1: diameter 0.457, hole 0.203, TOP to BOTTOM, 2024 vias
v2: diameter 0.457, hole 0.229, TOP to BOTTOM, 51 vias
v3: diameter 0.35, hole 0.15, L8_IN2 to BOTTOM, 137 vias
v4: diameter 0.35, hole 0.15, TOP to L3_IN1, 283 vias
v5: diameter 0.35, hole 0.15, L3_IN1 to L4_GND2, 69 vias
v6: diameter 0.45, hole 0.2, L4_GND2 to L7_GND3, 774 vias
v7: diameter 0.35, hole 0.15, L7_GND3 to L8_IN2, 63 vias
v8: diameter 0.35, hole 0.15, TOP to L4_GND2, 621 vias
v9: diameter 0.35, hole 0.15, L7_GND3 to BOTTOM, 582 vias
v10: diameter 0.35, hole 0.15, L7_GND3 to L9_GND4, 182 vias
v11: diameter 0.35, hole 0.15, TOP to L2_GND1, 176 vias
v12: diameter 0.35, hole 0.15, L2_GND1 to L4_GND2, 256 vias
v13: diameter 0.35, hole 0.15, L9_GND4 to BOTTOM, 203 vias
